# Altium PCB Flow_Pump.PcbDoc (part 2 of 3)
Units mil, origin at the board's own origin, x right, y up, seen from the top; angles counter-clockwise.
Board outline 7992.13 x 7992.13 mil, 2 copper layers (Top Layer, Bottom Layer); 257 components, 182 nets, 857 pads, 2320 vias.
Unrouted connection lines stored in the file: 1.
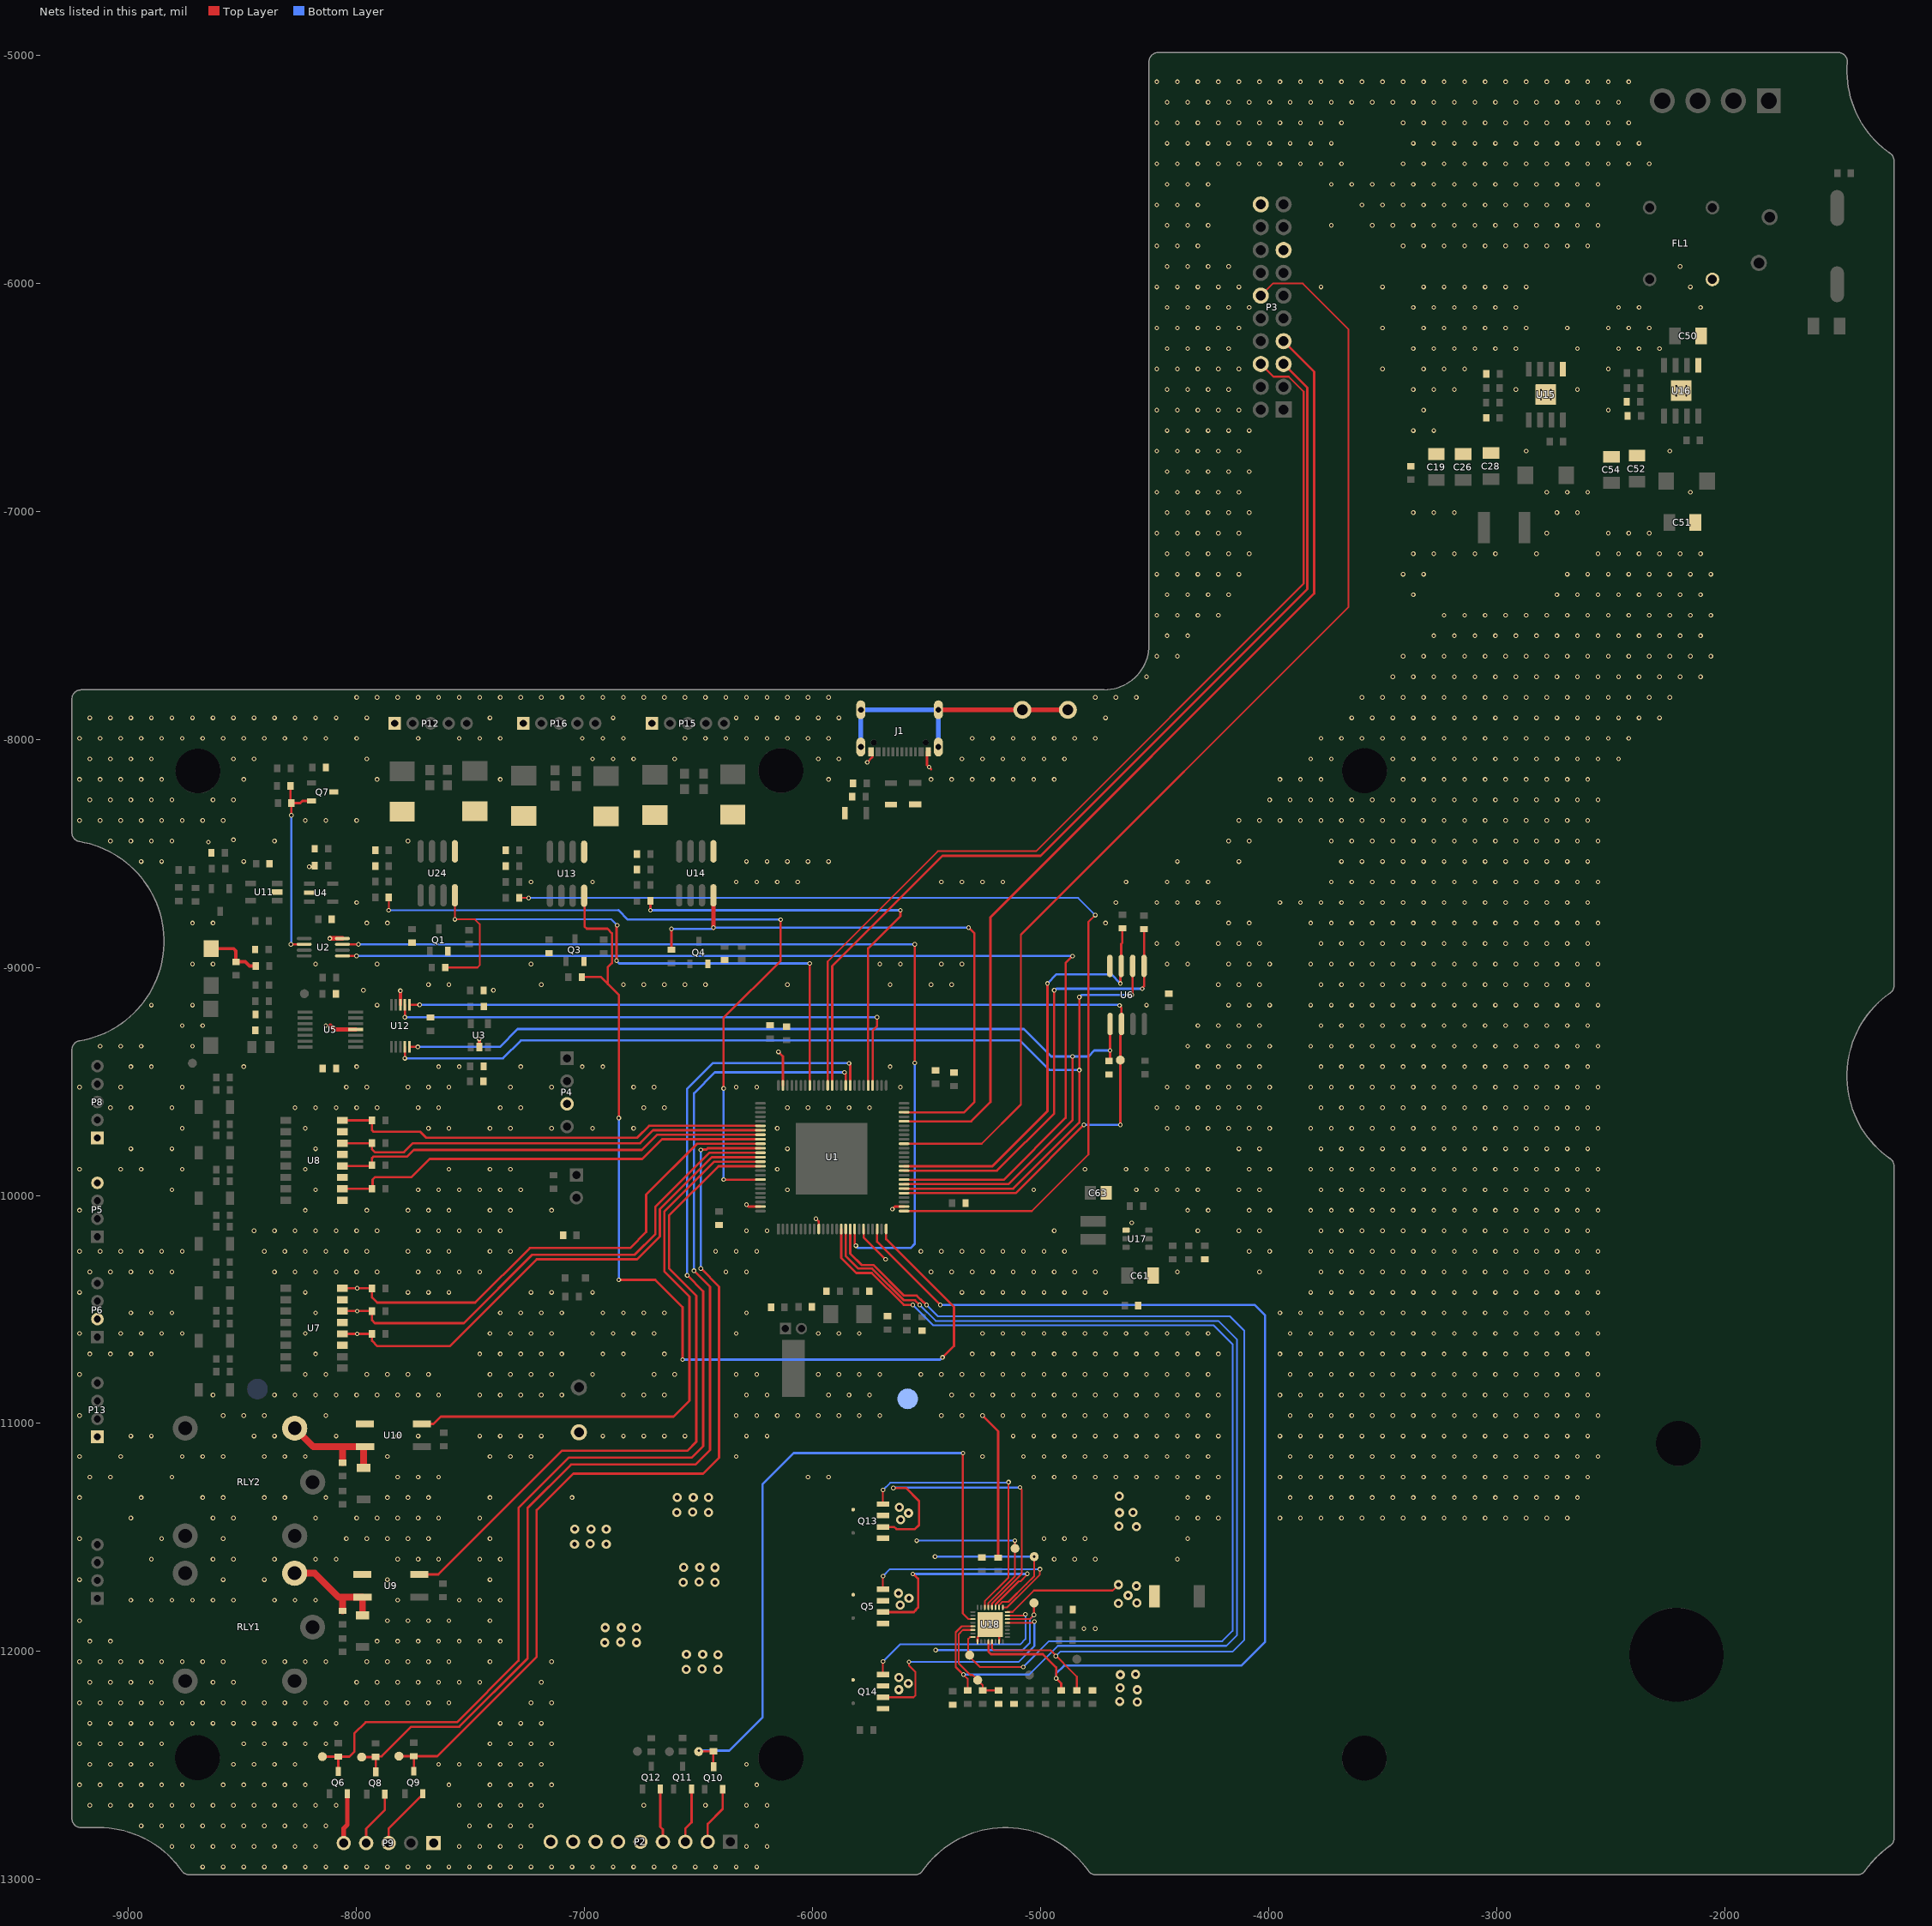
[diagram p2: the nets of this part, all layers, seen from the top]

## Via types
v1: diameter 20, hole 12, Top Layer to Bottom Layer, tented both sides, 2140 vias
v2: diameter 20, hole 12, Top Layer to Bottom Layer, 84 vias
v3: diameter 40, hole 20, Top Layer to Bottom Layer, tented both sides, 73 vias
v4: diameter 40, hole 30, Top Layer to Bottom Layer, 11 vias
v5: diameter 19.68, hole 7.87, Top Layer to Bottom Layer, 8 vias
v6: diameter 80, hole 60, Top Layer to Bottom Layer, 3 vias
v7: diameter 60, hole 40, Top Layer to Bottom Layer, 1 vias

## Nets (pads, with @x,y where several pads share a name; then routed paths per layer and width w, separated by ;. In a path a pad name is that pad's centre, name@x,y a point inside that pad or via, vN(x,y) a via of type N, cw(c..) or ccw(c..) an arc to the next point about the centre after c; other vN are vias at no path point) (continued)
DI_IN0: R29.2 U1.81 U8.16 | length 1912.8
  Top Layer w10: U8.16@-8062.73,-9670.54 -7997.59,-9670.54 R29.2@-7932.44,-9670.54 -7932.44,-9714.14 -7926.58,-9720 -7722.07,-9720 -7695.41,-9746.66 -6769.73,-9746.66 -6717.31,-9694.24 U1.81@-6228.74,-9694.24
DI_IN1: R33.2 U1.82 U8.14 | length 1906
  Top Layer w10: U8.14@-8062.73,-9770.54 -7997.59,-9770.54 R33.2@-7932.44,-9770.54 -7932.44,-9797.56 -7920,-9810 -7792.55,-9810 -7753.1,-9770.54 -6756.57,-9770.54 -6699.95,-9713.93 U1.82@-6228.74,-9713.93
DI_IN2: R37.2 U1.83 U8.12 | length 1909
  Top Layer w10: U8.12@-8062.73,-9870.54 -7999.36,-9870.54 -7935.99,-9870.54 R37.2@-7932.44,-9867 -7932.44,-9835.86 -7926.58,-9830 -7778.79,-9830 -7748.79,-9800 -6748.78,-9800 -6682.4,-9733.61 U1.83@-6228.74,-9733.61
DI_IN3: R41.2 U1.84 U8.10 | length 1946.3
  Top Layer w10: U8.10@-8062.73,-9970.54 -7997.59,-9970.54 R41.2@-7932.44,-9970.54 -7930,-9968.1 -7930,-9930 -7920,-9920 -7760,-9920 -7680,-9840 -6747.08,-9840 -6660.38,-9753.3 U1.84@-6228.74,-9753.3
DI_IN4: R27.2 U1.85 U7.16 | length 2268.2
  Top Layer w10: U7.16@-8062.73,-10407 v1(-7997.59,-10407) R27.2@-7932.44,-10407 -7932.44,-10447.56 -7910,-10470 -7480,-10470 -7240,-10230 -6800,-10230 -6730,-10160 -6730,-9996.67 -6506.31,-9772.98 U1.85@-6228.74,-9772.98
DI_IN5: R31.2 U1.87 U7.14 | length 2259.7
  Top Layer w10: U7.14@-8062.73,-10507 v1(-7997.59,-10507) R31.2@-7932.44,-10507 -7932.44,-10547.56 -7920,-10560 -7530,-10560 -7230,-10260 -6780,-10260 -6690,-10170 -6690,-10050 -6452.35,-9812.35 U1.87@-6228.74,-9812.35
DI_IN6: R35.2 U1.88 U7.12 | length 2287.7
  Top Layer w10: U7.12@-8062.73,-10607 v1(-7997.62,-10607) R35.2@-7932.51,-10607 -7932.51,-10637.49 -7909.17,-10660.83 -7590.83,-10660.83 -7210,-10280 -6770,-10280 -6670,-10180 -6670,-10060 -6442.04,-9832.04 U1.88@-6228.74,-9832.04
DIN_AO: U1.18 U2.7 | length 4169
  Top Layer w10: U2.7@-8062.1,-8898.21 v1(-7991.79,-8898.21) ; U1.18@-5815.35,-10147 -5815.35,-10211.94 -5810,-10217.29 v2(-5810,-10220) ; v2(-5551.79,-9418.21) v2(-5551.79,-8898.21)
  Bottom Layer w10: v1(-7991.79,-8898.21) v2(-5551.79,-8898.21) ; v2(-5810,-10220) -5800,-10230 -5570,-10230 -5551.79,-10211.79 v2(-5551.79,-9418.21)
DIR: R57.1 U1.17 U18.29 | length 4701.9
  Top Layer w8: U18.29@-5213.12,-11957.41 -5213.12,-11985.88 -5204,-11995 -4956,-11995 -4840.78,-12110.22 R57.1@-4840.78,-12170.94
  Top Layer w10: U1.17@-5835.04,-10147 -5835.04,-10254.96 -5784.99,-10305.01 -5732.56,-10305.01 -5598.79,-10438.79 -5542.93,-10438.79 -5512.92,-10468.79 -5511.21,-10468.79 v2(-5500,-10480)
  Bottom Layer w8: v2(-5500,-10480) -5450,-10530 -4170,-10530 -4106,-10594 -4106,-11949 -4157,-12000 -4913,-12000 v1(-4933,-12020)
DO0: C38.1 D16.1 RLY1.1 U9.4 | length 481.6
  Top Layer w30: RLY1.1@-8271.67,-11656.98 -8184.02,-11656.98 -8079.2,-11761.8 -8061,-11761.8 ; C38.1@-8061,-11822 -8061,-11761.8 ; D16.1@-7974,-11842.1 -7974,-11761.8 U9.4@-7974.12,-11761.8 -8061,-11761.8
DO1: C39.1 D17.1 RLY2.1 U10.4 | length 506.9
  Top Layer w30: RLY2.1@-8271.21,-11020.78 -8189.99,-11102 -8056,-11102 ; C39.1@-8061.2,-11171.8 -8061.2,-11107.2 -8056,-11102 ; D17.1@-7969,-11195.1 U10.4@-7969,-11102 ; U10.4@-7963,-11102 U10.4@-7969,-11102 ; -8056,-11102 U10.4@-7969,-11102
DO_ctrl_0: U1.90 U9.2 | length 2988.5
  Top Layer w10: U9.2@-7725.12,-11661.8 -7641.8,-11661.8 -7100,-11120 -6550,-11120 -6510,-11080 -6510,-10440 -6630,-10320 -6630,-10088.5 -6412.9,-9871.41 U1.90@-6228.74,-9871.41
DO_ctrl_1: U1.89 U10.2 | length 2603.5
  Top Layer w10: U10.2@-7714,-11002 -7662.5,-11002 -7630.5,-10970 -6610,-10970 -6540,-10900 -6540,-10443.46 -6650,-10333.46 -6650,-10070 -6431.72,-9851.72 U1.89@-6228.74,-9851.72
EA: P9.5 Q6.2 | length 222.2
  Top Layer w20: P9.5@-8056.41,-12840.36 -8056.41,-12775.42 -8040.63,-12759.63 Q6.2@-8040.63,-12624.66
EARTH: J1.1 P2.9 P14.1 P14.2 | length 1235.1
  Top Layer w20: J1.1@-5448.05,-7869.62 -5447.86,-7869.81 -4880.19,-7869.81 P14.1@-4880,-7870
  Bottom Layer w20: J1.1@-5788.2,-8033 J1.1@-5788.2,-7869.62 J1.1@-5448.05,-7869.62 J1.1@-5448.05,-8033
EB: P9.4 Q8.2 | length 247.4
  Top Layer w10: P9.4@-7958,-12840.36 -7958,-12777 -7876.63,-12695.63 Q8.2@-7876.63,-12626.66
ENABLE: T3.1 U1.15 U18.24 | length 4600.4
  Top Layer w8: U18.24@-5296.49,-11937.04 -5309.04,-11937.04 -5318,-11946 -5318,-12016 -5266,-12068 v1(-5075.78,-12068)
  Top Layer w10: U1.15@-5874.41,-10147 -5874.41,-10274.38 -5808.75,-10340.04 -5739.96,-10340.04 -5600,-10480 v2(-5560,-10480)
  Bottom Layer w8: v2(-5560,-10480) -5470,-10570 -4240,-10570 -4158,-10652 -4158,-11910 -4203,-11955 -4962.78,-11955 v1(-5075.78,-12068)
EXTPROC_RX: R76.2 U1.93 | length 3198
  Top Layer w8: v1(-7859,-8749) R76.2@-7859,-8692
  Top Layer w10: v2(-6390,-9930) -6389.54,-9930.46 U1.93@-6228.74,-9930.46 ; v2(-6390,-9530) -6390,-9220 -6140,-8970 v2(-6140,-8790)
  Bottom Layer w8: v1(-7859,-8749) -6851,-8749
  Bottom Layer w10: -6851,-8749 -6810,-8790 v2(-6140,-8790) ; v2(-6390,-9930) v2(-6390,-9530)
EXTPROC_RX2: R18.2 U1.26 | length 4532.1
  Top Layer w8: R18.2@-7286.94,-8695 v1(-7245,-8695) ; U1.26@-5598.82,-10068.26 -5038.26,-10068.26 -4790,-9820 -4790,-8800 v1(-4760,-8770)
  Bottom Layer w8: v1(-7245,-8695) -4835,-8695 v1(-4760,-8770)
EXTPROC_RX3: R46.2 U1.55 | length 1964.6
  Top Layer w10: v1(-6710.94,-8749.06) R46.2@-6710.94,-8707 ; U1.55@-5756.3,-9517.08 -5756.3,-8916.3 -5614.97,-8774.97 v1(-5614.97,-8749.06)
  Bottom Layer w10: v1(-6710.94,-8749.06) v1(-5614.97,-8749.06)
EXTPROC_SPI2_ADC_CS3: U1.54 U12.2 | length 2433.1
  Top Layer w10: v2(-7788.31,-9218.32) U12.2@-7788.31,-9163.48 ; U1.54@-5736.61,-9517.08 -5736.61,-9276.61 -5716.95,-9256.95 v2(-5716.95,-9218.32)
  Bottom Layer w10: v2(-7788.31,-9218.32) v2(-5716.95,-9218.32)
EXTPROC_SPI2_MISO: U1.31 U6.2 U12.9 | length 4895.8
  Top Layer w10: v2(-7788.31,-9398.32) U12.9@-7788.31,-9348.52 ; U1.31@-5598.82,-9969.83 -5119.83,-9969.83 -4830,-9680 v1(-4830,-9130) ; v2(-4600,-9120) -4600,-9117.29 -4596,-9113.29 U6.2@-4596,-8993.11
  Bottom Layer w10: v2(-7788.31,-9398.32) -7358.31,-9398.32 -7280,-9320 -5090,-9320 -4960,-9450 v2(-4830.12,-9450) ; v1(-4830,-9130) -4829.14,-9130 -4819.14,-9120 v2(-4600,-9120)
EXTPROC_SPI2_MOSI: R71.1 U1.32 U6.5 U12.10 | length 4465.6
  Top Layer w10: U12.10@-7768.62,-9348.52 v2(-7731.48,-9348.52) ; U1.32@-5598.82,-9950.15 -5140.15,-9950.15 -4860,-9670 v1(-4860,-9390) ; R71.1@-4700,-9410 -4695,-9405 v1(-4695,-9364.17) U6.5@-4695,-9247.89
  Bottom Layer w10: v2(-7731.48,-9348.52) -7371.87,-9348.52 -7293.35,-9270 -5073.64,-9270 -4953.64,-9390 v1(-4860,-9390) -4790,-9390 -4764.17,-9364.17 v1(-4695,-9364.17)
EXTPROC_SPI2_SCLK: FLASH_SCLK1.1 U1.30 U6.6 U12.1 | length 4723
  Top Layer w10: U12.1@-7768.64,-9163.48 v2(-7723.48,-9163.48) ; U1.30@-5598.82,-9989.52 -5109.52,-9989.52 v1(-4810,-9690) ; v2(-4653.26,-9166.74) -4653.26,-9169.45 -4645,-9177.71 U6.6@-4645,-9247.89 -4647.61,-9250.5 -4647.61,-9295.57 -4650,-9297.96 v1(-4650,-9690)
  Bottom Layer w10: v2(-7723.48,-9163.48) -4656.52,-9163.48 v2(-4653.26,-9166.74) v2@-4650,-9170 ; v1(-4810,-9690) v1(-4650,-9690)
EXTPROC_TX: R5.1 U1.68 U24.4 | length 2825.7
  Top Layer w8: R5.1@-7611,-9000 -7470,-9000 -7460,-8990 -7460,-8810 -7481,-8789 v1(-7569,-8789) U24.4@-7569,-8683.46
  Top Layer w10: v2(-6860,-8970) -6860,-8820.71 -6856.69,-8817.4 v1(-6856.69,-8814.69) ; U1.68@-6012.2,-9517.08 v2(-6012.2,-8982.2)
  Bottom Layer w8: v1(-7569,-8789) -6882.38,-8789 v1(-6856.69,-8814.69)
  Bottom Layer w10: v2(-6860,-8970) -6847.8,-8982.2 v2(-6012.2,-8982.2)
EXTPROC_TX2: R47.1 U1.25 U13.4 | length 4352.5
  Top Layer w10: R47.1@-7012,-9042 -6928,-9042 -6897.85,-9072.15 ; U13.4@-7002,-8685.46 -7000,-8687.46 -7000,-8820 -6990,-8830 -6900,-8830 -6880,-8850 -6880,-8980 -6897.85,-8997.85 -6897.85,-9072.15 ; v2(-6850,-10370) -6690,-10370 -6570,-10490 v2(-6570,-10720) ; v2(-6850,-9660) -6850,-9120 -6897.85,-9072.15 ; U1.25@-5677.56,-10147 -5677.56,-10191.23 -5380,-10488.79 -5380,-10660 v2(-5430,-10710)
  Bottom Layer w10: v2(-6850,-10370) v2(-6850,-9660) ; v2(-6570,-10720) -5440,-10720 v2(-5430,-10710)
EXTPROC_TX3: R48.1 U1.48 U14.4 | length 2630.1
  Top Layer w10: R48.1@-6619,-8921.94 v1(-6619,-8831) ; U1.48@-5598.82,-9635.19 -5335.19,-9635.19 -5290,-9590 -5290,-8850.94 v1(-5315.94,-8825)
  Top Layer w20: v1(-6435,-8825) U14.4@-6435,-8683.46
  Bottom Layer w10: v1(-6619,-8831) -6443.71,-8831 ; v1(-6435,-8825) v1(-5315.94,-8825)
EZ: P9.3 Q9.2 | length 281.1
  Top Layer w10: P9.3@-7859.57,-12840.36 -7859.57,-12777.57 -7720.34,-12638.34 -7716.44,-12638.34 -7709.63,-12631.53 Q9.2@-7709.63,-12623.66
FAULT: P3.12 U1.41 | length 5068.3
  Top Layer w8: U1.41@-5598.82,-9772.98 -5258.63,-9772.98 -5086.3,-9600.66 -5086.3,-8856.3 -3650,-7420 -3650,-6200 -3850,-6000 -3981,-6000 P3.12@-4034,-6053
FLASH_nCS1: R10.2 U1.35 U6.1 | length 1961.7
  Top Layer w10: U1.35@-5598.82,-9891.09 -5191.09,-9891.09 -4940,-9640 v1(-4940,-9100) ; v1(-4553.91,-9093.02) -4553.91,-9090.32 -4546,-9082.41 U6.1@-4546,-8993.11 R10.2@-4546,-8832
  Bottom Layer w10: v1(-4940,-9100) -4937.29,-9100 -4930.32,-9093.02 v1(-4553.91,-9093.02) v1@-4548.29,-9093.02
FLASH_nW: R70.2 U1.36 U6.3 | length 1887.7
  Top Layer w10: U1.36@-5598.82,-9871.41 -5211.41,-9871.41 -4970,-9630 v1(-4970,-9070) ; v1(-4650,-9070) -4650,-9043.18 -4648.61,-9041.79 -4648.61,-8995.72 U6.3@-4646,-8993.11 -4646,-8896 -4641,-8891 R70.2@-4641,-8828
  Bottom Layer w10: v1(-4970,-9070) -4930,-9030 -4690,-9030 v1(-4650,-9070)
FOUT: R58.1 U1.23 U18.28 | length 4798
  Top Layer w10: U1.23@-5716.93,-10147 -5716.93,-10203.07 v1(-5440,-10480) ; U18.28@-5228.86,-11957.41 -5228.86,-12000.14 -5217,-12012 -4990,-12012 -4931.56,-12070.44 v1(-4931.56,-12118) -4909.56,-12140 R58.1@-4909.56,-12170.94
  Bottom Layer w10: v1(-5440,-10480) -4060.84,-10480 -4015,-10525.84 -4015,-11958 -4119,-12062 -4897,-12062 -4931.56,-12096.56 v1(-4931.56,-12118)
GHA: Q14.2 U18.5 | length 1110.6
  Top Layer w8: Q14.2@-5691.3,-12200.82 -5557.09,-12200.82 -5549,-12192.73 -5549,-12089.27 -5577,-12061.27 v1(-5577,-12046) ; U18.5@-5145.5,-11874.05 -5035.3,-11874.05 -5030.25,-11869 v1(-5027,-11869)
  Bottom Layer w8: v1(-5577,-12046) -5097,-12046 -5027,-11976 v1(-5027,-11869)
GHB: Q5.2 U18.11 | length 1034.2
  Top Layer w8: U18.11@-5197.38,-11806.43 -5197.38,-11793.77 -5095.5,-11691.89 -5086.89,-11691.89 -5060.3,-11665.3 -5060.3,-11661.3 v1(-5058,-11659)
  Top Layer w10: Q5.2@-5691.3,-11827.32 -5555.68,-11827.32 -5548,-11819.64 -5548,-11818 -5537,-11807 -5537,-11680 -5552,-11665 -5552.29,-11665 -5557.29,-11660 v1(-5560,-11660)
  Bottom Layer w10: v1(-5560,-11660) v1@-5058,-11660
GHC: Q13.2 U18.12 | length 1552
  Top Layer w8: U18.12@-5213.12,-11806.43 -5213.12,-11790.12 -5083,-11660 -5083,-11290.25 -5090,-11283.25 v1(-5090,-11280)
  Top Layer w10: Q13.2@-5691.3,-11453.82 -5642.18,-11453.82 -5632.59,-11463.41 -5551.41,-11463.41 -5533,-11445 -5533,-11340 -5590,-11283 v1(-5646,-11283)
  Bottom Layer w10: v1(-5646,-11283) -5644.5,-11281.5 -5091.5,-11281.5 v1(-5090,-11280)
GLA: Q14.4 U18.7 | length 912.5
  Top Layer w8: Q14.4@-5691.3,-12100.82 v1(-5691.3,-12043.7) ; U18.7@-5145.5,-11842.55 -5074.8,-11842.55 -5069.52,-11837.27 v1(-5066.27,-11837.27)
  Bottom Layer w8: v1(-5691.3,-12043.7) -5616.6,-11969 -5089.76,-11969 -5066.27,-11945.51 v1(-5066.27,-11837.27)
GLB: Q5.4 U18.9 | length 1005.1
  Top Layer w8: Q5.4@-5691.3,-11727.32 v1(-5691.3,-11669.7) ; U18.9@-5165.88,-11806.43 -5146.35,-11806.43 -5057.81,-11717.89 -5057.5,-11717.89 -5003,-11663.38 v1(-5003,-11639)
  Bottom Layer w8: v1(-5691.3,-11669.7) -5660.6,-11639 v1(-5003,-11639)
GLC: Q13.4 U18.14 | length 1212.6
  Top Layer w8: Q13.4@-5691.3,-11353.82 v1(-5691.3,-11291.7) ; U18.14@-5244.61,-11806.43 -5244.61,-11779.61 -5141,-11676 -5141,-11258 v1(-5140.3,-11257.3)
  Bottom Layer w8: v1(-5691.3,-11291.7) -5659.6,-11260 v1@-5146.25,-11260
GND: C1.2 C2.2 C3.1 C4.1 C5.2 C6.2 C7.2 C8.1 C9.1 C10.1 C11.1 C14.2 C15.2 C16.2 C17.2 C19.2 C20.1 C21.1 C22.1 C26.2 C28.2 C41.2 C43.2 C47.2 C48.1 C50.2 C51.2 C52.2 C54.2 C56.2 C57.2 C60.2 C61.2 C63.2 C66.2 C67.2 C68.2 C72.2 C73.2 D2.1 D3.1 D4.1 D5.1 D14.1 D18.1 D19.1 D20.1 D21.1 FL1.3 J1.A1 J1.A12 J1.B1 J1.B12 P2.5 P3.15 P3.20 P4.3 P5.4 P6.2 P8.1 P9.1 P12.1 P13.1 P15.1 P16.1 Q1.2 Q3.2 Q4.2 R3.2 R25.1 R49.1 R50.1 R52.1 R54.1 R56.1 R61.2 R62.2 R63.2 R67.2 R68.2 R71.2 R77.1 U1.10 U1.20 U1.27 U1.74 U1.99 U6.4 U7.11 U7.13 U7.15 U8.9 U8.11 U8.13 U8.15 U9.3 U10.3 U13.5 U14.5 U15.1 U15.9 U16.1 U16.9 U17.1 U18.25 U18.31 U18.33 U24.5 U29.1 | length 1503.3
  Top Layer w10: v1(-6290,-10040) -6281.43,-10048.57 U1.99@-6228.74,-10048.57 ; v1(-6150,-9370) -6130.32,-9389.68 U1.74@-6130.32,-9517.08 ; v1(-5985.1,-10102.32) -5972.83,-10114.58 U1.10@-5972.83,-10147 ; U1.20@-5775.98,-10147 -5775.98,-10184.02 v1(-5680,-10280) ; v1(-5760,-8100) -5738.2,-8078.2 J1.B1@-5738.2,-8054 J1.A12@-5750.02,-8054 ; v1(-5650,-10060) -5638.57,-10048.57 U1.27@-5598.82,-10048.57 ; J1.B12@-5486.24,-8054 J1.A1@-5498.05,-8054 -5498.05,-8111.95 -5480,-8130 ; U18.25@-5276.11,-11957.41 -5276.11,-11943.86 -5275.07,-11942.81 -5275.07,-11935.99 v1(-5221,-11881.92) -5181.62,-11921.29 U18.31@-5181.62,-11957.41 ; v1(-5255,-10965) -5186,-11034 R63.2@-5186,-11588.94